# Altium PCB PM06-电调中央板-V1.PcbDoc
Units mil, origin at the board's own origin, x right, y up, seen from the top; angles counter-clockwise.
Board outline 1614.17 x 1614.17 mil, 2 copper layers (Top Layer, Bottom Layer); 19 components, 5 nets, 57 pads, 132 vias.
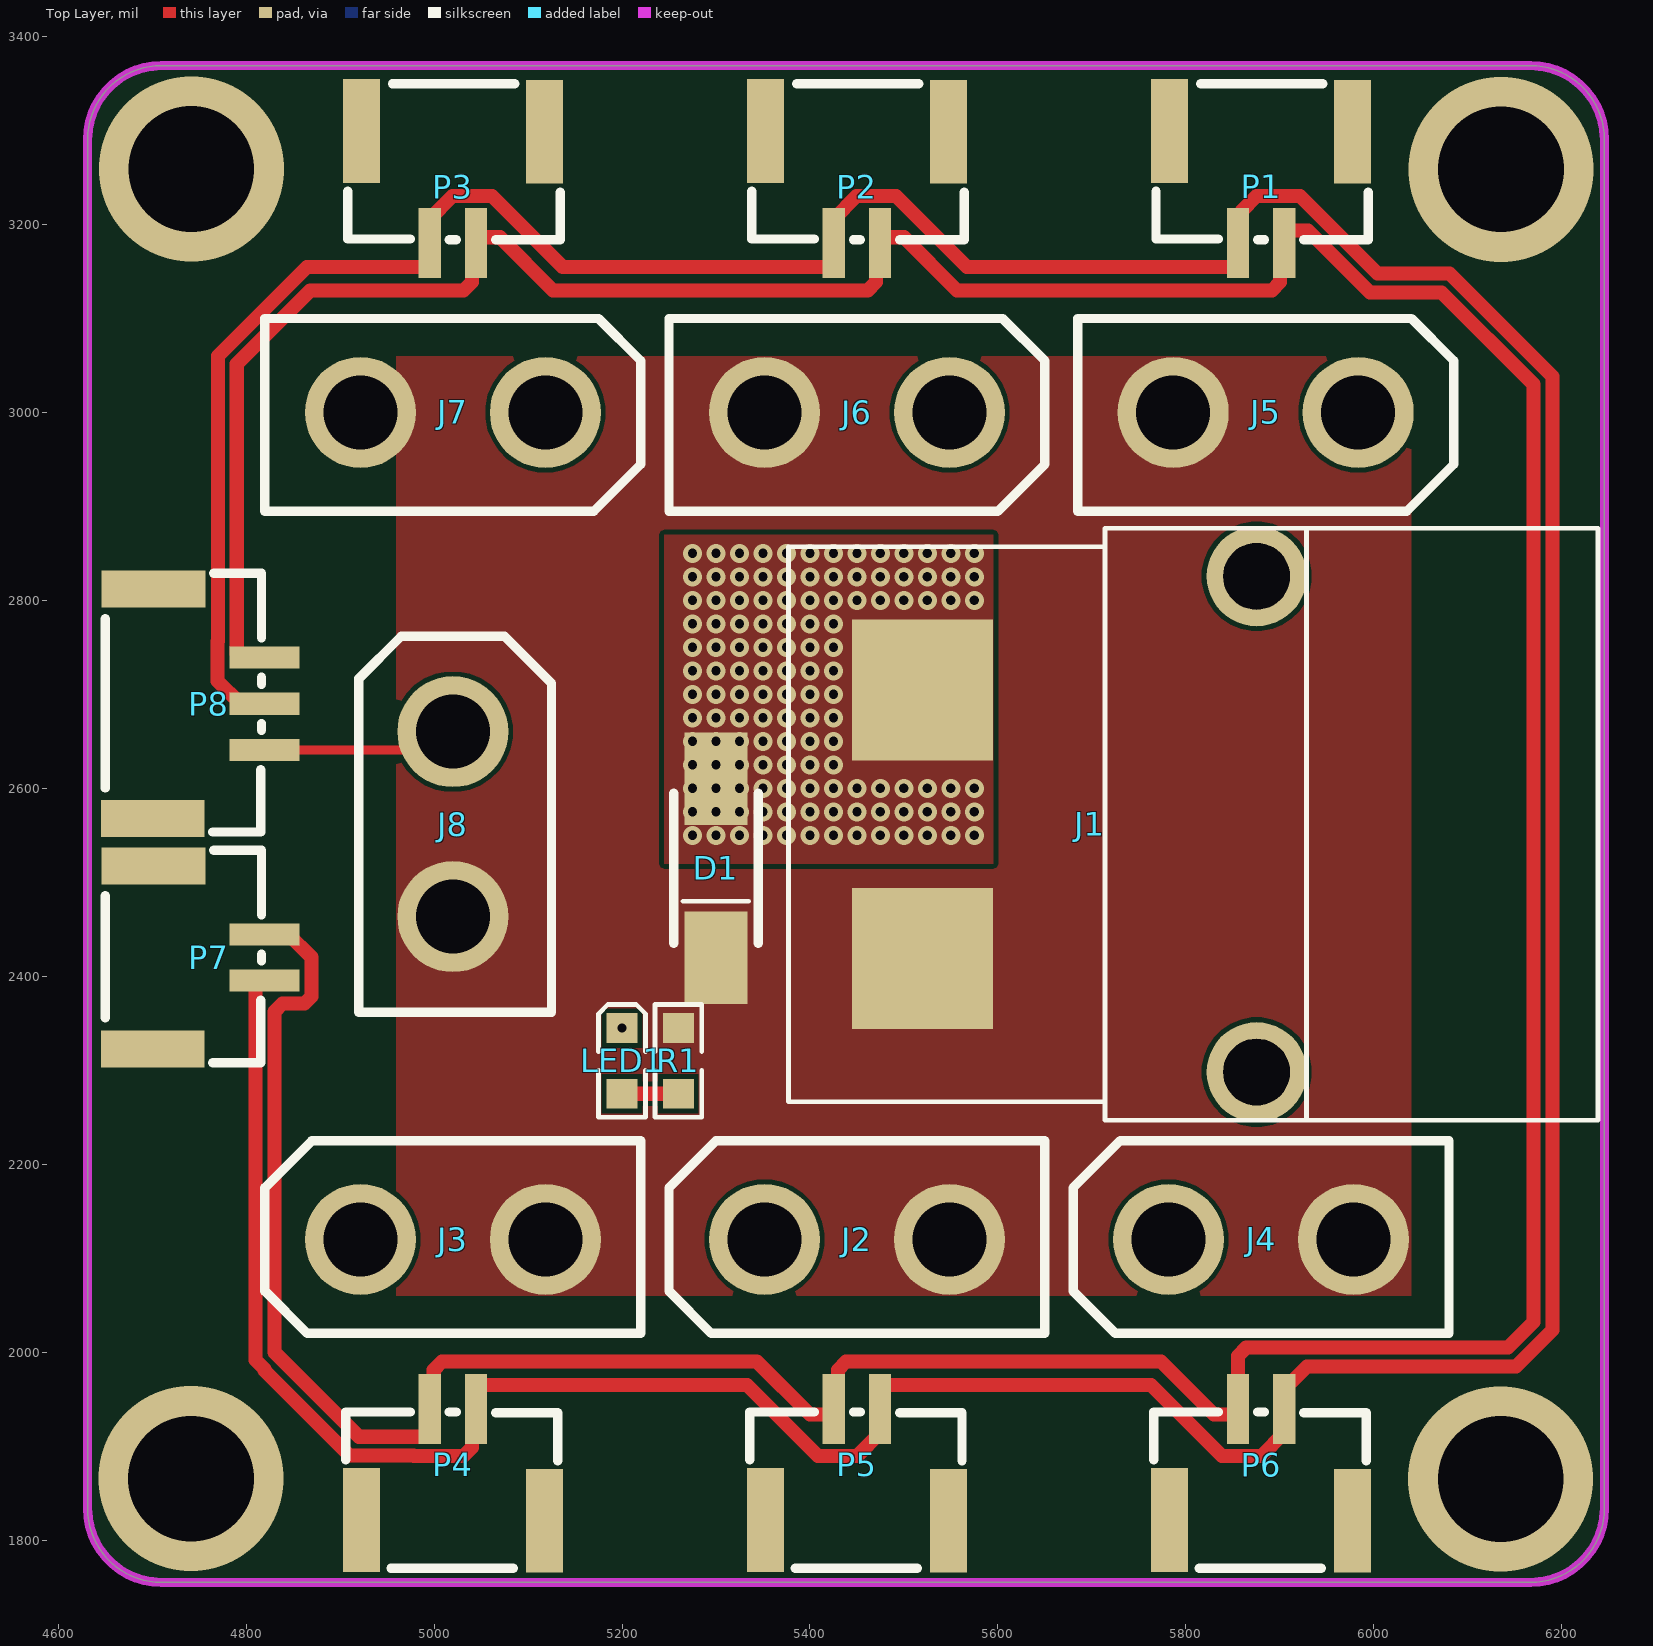
[diagram p0: Top Layer view]
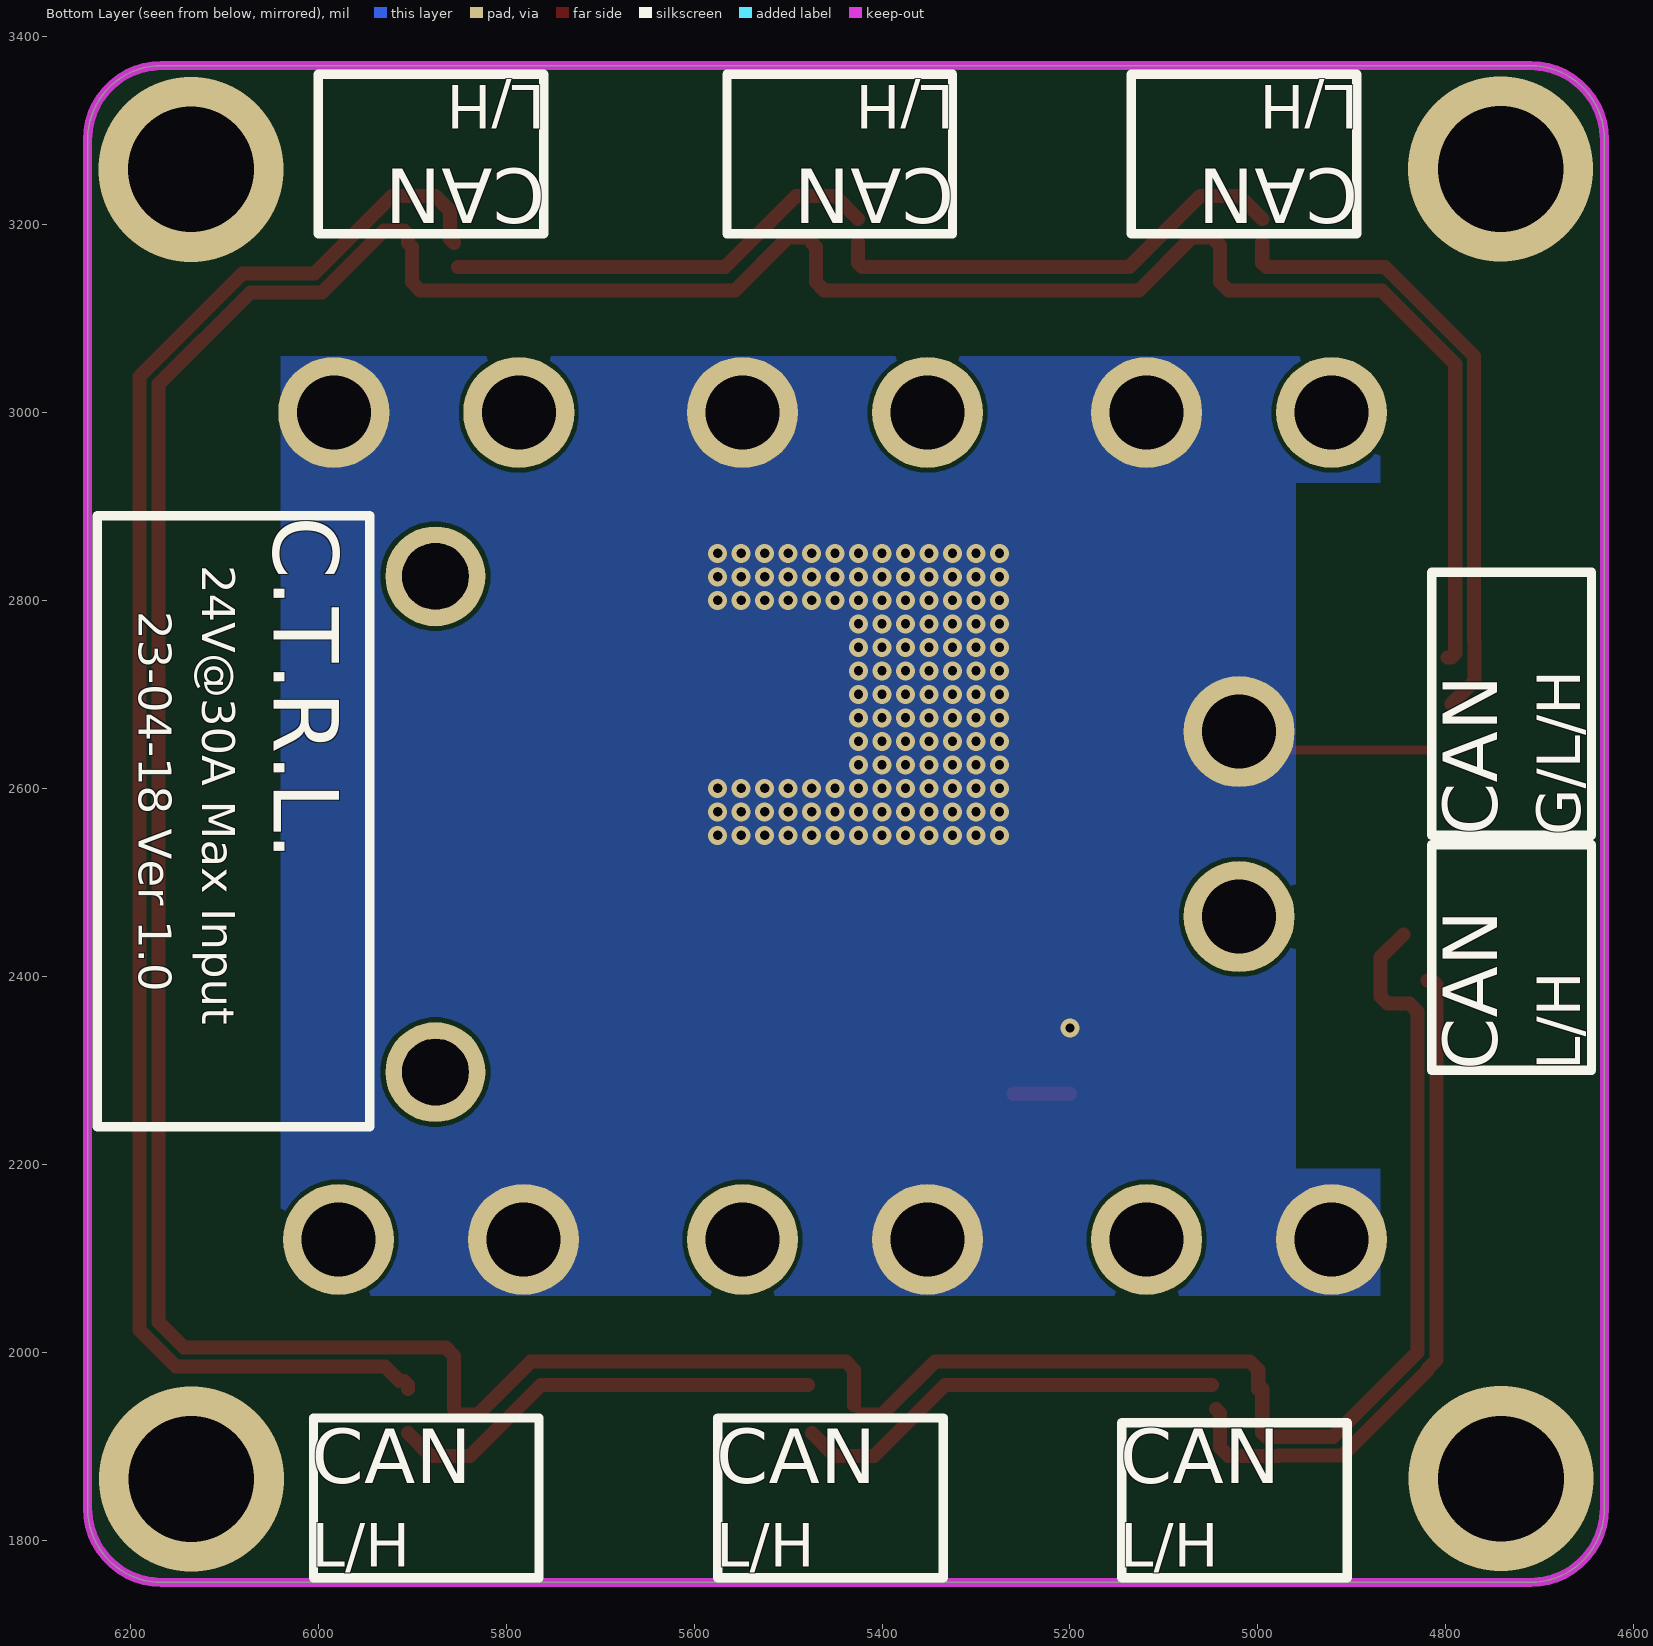
[diagram p1: Bottom Layer view, seen from below]
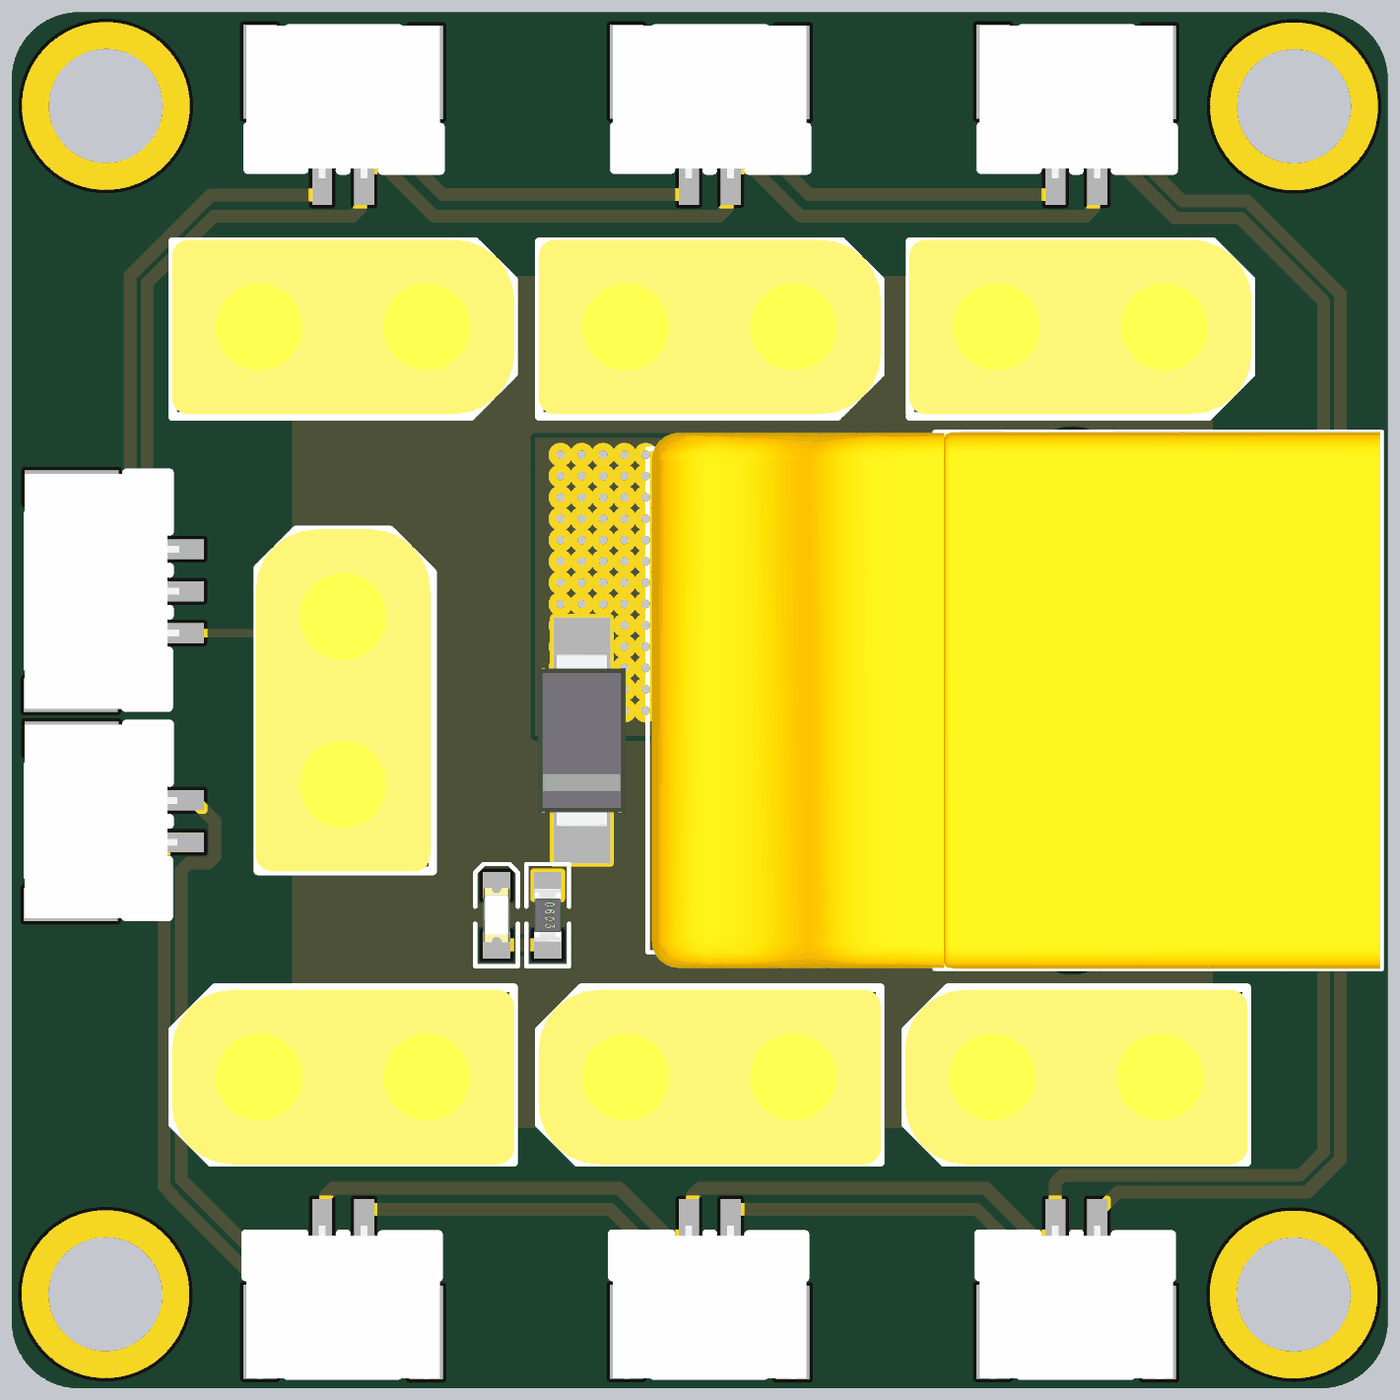
[diagram p2: 3D render of the assembled board from above, using the file's embedded part models]

## Layer stack, top to bottom
Top Solder: solder mask 0.4, Solder Resist, Dk 3.5
Top Layer: signal copper 1.4
Dielectric 1: dielectric 12.6, FR-4, Dk 4.8
Bottom Layer: signal copper 1.4
Bottom Solder: solder mask 0.4, Solder Resist, Dk 3.5

## Board outline
4631.26,1833.74 ccw(c4710,1833.74) 4710,1755 6166.69,1755 ccw(c6166.69,1833.74) 6245.43,1833.74 6245.43,3290.43 ccw(c6166.69,3290.43) 6166.69,3369.17 4710,3369.17 ccw(c4710,3290.43) 4631.26,3290.43

## Design rules (kind name [scope] priority, off if disabled: settings)
Clearance [All] p1: gap=5 ignorepadtopadclearanceinfootprint=FALSE
PolygonConnect [All] p1: connectstyle=Direct reliefconductorwidth=10 reliefentries=4 polygonreliefangle="90 Angle" airgapwidth=10
RoutingVias [All] p1: holewidth=10 width=20 viastyle="Through Hole" minholewidth=10 minwidth=20 maxholewidth=28 maxwidth=50
SolderMaskExpansion [All] p1: expansion=4 istentingtop=FALSE
Width [All] p1: maxlimit=30 minlimit=5 preferedwidth=10
30 further rules are at their usual default settings.

## Components (designator, comment, footprint, x,y, rotation, side; value= is the part's Value field where it differs from the comment)
D1 "SMAJ24A" SMA 5300,2515 r270 top
J1 "XT60_卧贴_母" XT60-PT-M 5830,2561.87 r270 top
J2 "XT30_立插_公" XT30-UPB-F 5450,2120 r180 top
J3 "XT30_立插_公" XT30-UPB-F 5020,2120 r180 top
J4 "XT30_立插_公" XT30-UPB-F 5880,2120 r180 top
J5 "XT30_立插_公" XT30-UPB-F 5885,3000 r0 top
J6 "XT30_立插_公" XT30-UPB-F 5450,3000 r0 top
J7 "XT30_立插_公" XT30-UPB-F 5020,3000 r0 top
J8 "XT30_立插_公" XT30-UPB-F 5020,2561.87 r90 top
LED1 "LED" 0603D 5200,2310 r90 top
P1 "GH1.25_卧贴" GH1.25-PW-1*2 5880,3240 r180 top
P2 "GH1.25_卧贴" GH1.25-PW-1*2 5450,3240 r180 top
P3 "GH1.25_卧贴" GH1.25-PW-1*2 5020,3240 r180 top
P4 "GH1.25_卧贴" GH1.25-PW-1*2 5020,1880 r0 top
P5 "GH1.25_卧贴" GH1.25-PW-1*2 5450,1880 r0 top
P6 "GH1.25_卧贴" GH1.25-PW-1*2 5880,1880 r0 top
P7 "GH1.25_卧贴" GH1.25-PW-1*2 4760,2420 r270 top
P8 "接插件1*3" GH1.25-PW-1*3 4760,2690 r270 top
R1 "10K" 0603R 5260,2310 r270 top

## Footprints (in the part's own frame and the unit in brackets; to place one, negate y for a bottom-side part, rotate by r counter-clockwise, add the part's x,y. Pads: shape width x height; smd on the part's side, far side on the other; paste and mask are expansions set on the pad)
0603D [mm] "0603锟斤拷装锟斤拷LED锟斤拷"
  rect 0.8x0.83 smd: 1(-0.889,0) 2(0.889,0)
  silkscreen extent -1.52,-0.64 1.52,0.64, body extent -0.81,-0.4 0.81,0.4, height 0.6
0603R [mm] "0603锟斤拷装锟斤拷锟斤拷锟斤拷锟矫ｏ拷缺锟斤拷为锟斤拷锟斤拷锟斤拷锟斤拷/锟斤拷锟斤拷"
  rect 0.8x0.83 smd: 1(-0.889,0) 2(0.889,0)
  silkscreen extent -1.52,-0.64 1.52,0.64, body extent -0.8,-0.4 0.8,0.4, height 0.42
GH1.25-PW-1*2 [mm]
  rect 0.6x1.9 smd: 1(-0.625,1.513) 2(0.625,1.513)
  rect 1x2.8 smd: ""(-2.475,-1.488) ""(2.475,-1.513)
  silkscreen extent -2.9,-2.79 2.84,1.43, body extent -2.88,-2.89 2.88,1.67, height 4.14
GH1.25-PW-1*3 [mm]
  rect 0.6x1.9 smd: 1(-1.25,1.513) 2(0,1.513) 3(1.25,1.513)
  rect 1x2.8 smd: ""(-3.1,-1.488) ""(3.1,-1.513)
  silkscreen extent -3.52,-2.79 3.46,1.43, body extent -3.5,-2.89 3.5,1.72, height 4.14
SMA [mm] "锟斤拷锟斤拷锟斤拷肖锟截伙拷锟斤拷锟斤拷锟杰的凤拷装锟斤拷锟斤拷锟斤拷锟竭碉拷一锟斤拷为锟斤拷锟斤拷"
  rect 2.5x1.7 smd: 1(-2.413,0) 2(2.413,0)
  silkscreen extent -2.03,-1.14 2.03,1.14, body extent -2.6,-1.3 2.6,1.3, height 2.37
XT30-UPB-F [mm]
  round 3 hole 2: 1(-2.5,0) 2(2.5,0)
  silkscreen extent -5.08,-2.67 5.08,2.54, body extent -5.1,-2.6 5.1,2.6, height 9.4
XT60-PT-M [mm]
  rect 3.81x3.81 smd: 1(3.625,-7.875) 2(-3.625,-7.875)
  round 2.7 hole 1.8 slot 1.8 at 0 deg: ""(-6.7,1.15) ""(6.7,1.15)
  silkscreen extent -8,-11.5 8,10.37, body extent -8,-11.38 8,10.32, height 8.37

## Part data
D1: library part 二极管_瞬态抑制
J1 J2 J3 J4 J5 J6 J7 J8: library part 接口_XT
LED1: library part 二极管_贴片发光
P1 P2 P3 P4 P5 P6 P7: library part 接插件1*2
R1: library part 电阻_贴片

## Via types
v1: diameter 20, hole 10, Top Layer to Bottom Layer, 128 vias
v2: diameter 196.85, hole 133.86, Top Layer to Bottom Layer, 4 vias

## Nets (pads, with @x,y where several pads share a name; then routed paths per layer and width w, separated by ;. In a path a pad name is that pad's centre, name@x,y a point inside that pad or via, vN(x,y) a via of type N, cw(c..) or ccw(c..) an arc to the next point about the centre after c; other vN are vias at no path point)
CAN_N: P1.2 P2.2 P3.2 P4.2 P5.2 P6.2 P7.2 P8.2 | length 5074.6
  Top Layer w15: P8.2@4793.96,2690 4769.65,2714.31 4769.65,2756.2 4770,2756.55 4770,3060 4864.94,3154.94 4991.08,3154.94 4995.39,3159.25 P3.2 ; P7.2 4814.31,2395.39 4810,2391.08 4810,1991.72 4819.55,1982.17 4819.55,1980.45 4910,1890 4978.05,1890 4978.41,1889.65 5031.16,1889.65 5040.3,1898.79 5040.3,1935.24 P4.2 ; P3.2@4995.39,3206.04 5019.7,3230.35 5061.59,3230.35 5136.95,3155 5421.08,3155 5425.39,3159.31 P2.2 ; P4.2@5048.92,1965 5333.05,1965 5408.41,1889.65 5450.3,1889.65 P5.2@5474.61,1913.96 ; P2.2@5425.39,3206.04 5449.7,3230.35 5491.59,3230.35 5566.95,3155 P1.2@5851.08,3155 ; P5.2@5478.92,1965 5763.05,1965 5838.41,1889.65 5880.3,1889.65 P6.2@5904.61,1913.96 ; P1.2 5859.7,3184.76 5859.7,3214.7 5875.35,3230.35 5921.59,3230.35 6004.13,3147.81 6080.47,3147.81 6190,3038.28 6190,2023.79 6151.21,1985 5928.85,1985 5913.3,1969.45 5908.92,1969.45 5904.61,1965.14 P6.2@5904.61,1960.75
CAN_P: P1.1 P2.1 P3.1 P4.1 P5.1 P6.1 P7.1 P8.1 | length 5051.4
  Top Layer w15: P8.1@4798.34,2739.21 4794.31,2739.21 4790,2743.52 4790,3051.72 4868.28,3130 5031.51,3130 5040.29,3138.79 5040.29,3177.84 5044.6,3182.15 5048.92,3186.46 5070.13,3186.46 5126.59,3130 5461.51,3130 5470.29,3138.79 5470.29,3176.14 P2.1 ; P7.1@4845.14,2444.6 4869.45,2420.29 4869.45,2378.4 4862.13,2371.08 4838.79,2371.08 4830,2362.29 4830,2000 4920,1910 4991.09,1910 4995.4,1914.31 P4.1@4995.4,1960.75 ; P4.1@4999.71,1960.75 4999.71,1981.21 5008.49,1990 5343.41,1990 5399.87,1933.54 P5.1@5421.09,1933.54 ; P5.1@5429.71,1943.86 5429.71,1981.21 5438.49,1990 5773.41,1990 5829.87,1933.54 P6.1@5851.09,1933.54 ; P2.1@5478.92,3186.46 5500.13,3186.46 5556.59,3130 5891.51,3130 5900.29,3138.79 P1.1@5900.29,3176.14 ; P6.1 5855.4,1996.12 5864.27,2005 6142.93,2005 6170,2032.07 6170,3030 6072.19,3127.81 5995.85,3127.81 5930.13,3193.53 5908.91,3193.53 5904.6,3189.22 P1.1
GND: D1.1 J1.2 J2.2 J3.2 J4.2 J5.2 J6.2 J7.2 J8.2 LED1.2 P8.3 | length 180.9
  Top Layer w10: P8.3 J8.2@5000.49,2640.79
  other v1: 5200,2345 5275,2550 5300,2550 5325,2550 5350,2550 5375,2550 5400,2550 5425,2550 5450,2550 5475,2550 5500,2550 5525,2550 5550,2550 5575,2550 5275,2575 5300,2575 5325,2575 5350,2575 5375,2575 5400,2575 5425,2575 5450,2575 5475,2575 5500,2575 5525,2575 5550,2575 5575,2575 5275,2600 5300,2600 5325,2600 5350,2600 5375,2600 5400,2600 5425,2600 5450,2600 5475,2600 5500,2600 5525,2600 5550,2600 5575,2600 5275,2625 5300,2625 5325,2625 5350,2625 5375,2625 5400,2625 5425,2625 5275,2650 5300,2650 5325,2650 5350,2650 5375,2650 5400,2650 5425,2650 5275,2675 5300,2675 5325,2675 5350,2675 5375,2675 5400,2675 5425,2675 5275,2700 5300,2700 5325,2700 5350,2700 5375,2700 5400,2700 5425,2700 5275,2725 5300,2725 5325,2725 5350,2725 5375,2725 5400,2725 5425,2725 5275,2750 5300,2750 5325,2750 5350,2750 5375,2750 5400,2750 5425,2750 5275,2775 5300,2775 5325,2775 5350,2775 5375,2775 5400,2775 5425,2775 5275,2800 5300,2800 5325,2800 5350,2800 5375,2800 5400,2800 5425,2800 5450,2800 5475,2800 5500,2800 5525,2800 5550,2800 5575,2800 5275,2825 5300,2825 5325,2825 5350,2825 5375,2825 5400,2825 5425,2825 5450,2825 5475,2825 5500,2825 5525,2825 5550,2825 5575,2825 5275,2850 5300,2850 5325,2850 5350,2850 5375,2850 5400,2850 5425,2850 5450,2850 5475,2850 5500,2850 5525,2850 5550,2850 5575,2850
NetLED1_1: LED1.1 R1.2 | length 60
  Top Layer w15: LED1.1 R1.2
VIN: D1.2 J1.1 J2.1 J3.1 J4.1 J5.1 J6.1 J7.1 J8.1 R1.1
pads on no net: J1. P1. P2. P3. P4. P5. P6. P7. P8.
copper on no net:
  other v2: 4741.26,1865.43 6135,1865 4741.69,3259.17 6135.43,3258.74

## Polygon pours and split planes (outlines as drawn)
GND on Bottom Layer "Top Layer-No Net" (solid, remove dead copper, pour order 0): 4870,3060 4870,2060 6040,2060 6040,3060
VIN on Top Layer "Top Layer-No Net" (solid, remove dead copper, pour order 2): 4870,3060 4870,2060 6040,2060 6040,3060
GND on Top Layer "Top Layer-No Net" (solid, remove dead copper, pour order 1): 5595,2870 5595,2520 5245,2520 5245,2870

## Keep-outs
Keep-Out Layer:
  the board outline again, w10

## Other copper
Top Layer:
  pour cut-out: 4870,3090 4960,3090 4960,2035 4870,2035
Bottom Layer:
  pour cut-out: 4870,2925 4960,2925 4960,2195 4870,2195

## Silkscreen, mask and mechanical layers (free items; w line width, h text height)
Bottom Overlay:
  lines w10: 4645,2300 4645,2540 4815,2540 4815,2300 4645,2300 ; 4645,2550 4645,2830 4815,2830 4815,2550 4645,2550 ; 4895,3190 5135,3190 5135,3360 4895,3360 4895,3190 ; 4905,1760 5145,1760 5145,1925 4905,1925 4905,1760 ; 5325,3190 5565,3190 5565,3360 5325,3360 5325,3190 ; 5335,1760 5575,1760 5575,1930 5335,1930 5335,1760 ; 5760,3190 6000,3190 6000,3360 5760,3360 5760,3190 ; 5765,1760 6005,1760 6005,1930 5765,1930 5765,1760 ; 5945,2240 5945,2890 6235,2890 6235,2240 5945,2240
  text "L/H" at 4893.41,3363.58 h80 r180
  text "L/H" at 5323.41,3363.58 h80 r180
  text "L/H" at 5758.41,3363.58 h80 r180
  text "CAN" at 4893.41,3278.58 h100 r180
  text "CAN" at 5323.41,3278.58 h100 r180
  text "CAN" at 5758.41,3278.58 h100 r180
  text "C.T.R.L." at 6070,2889.7 h120 r90
  text "24V@30A Max Input" at 6134.83,2837.28 h60 r90
  text "23-04-18 Ver 1.0" at 6202.8,2788.65 h60 r90
  text "G/L/H" at 4641.42,2550 h80 r270
  text "CAN" at 4726.42,2550 h100 r270
  text "L/H" at 4641.42,2299.98 h80 r270
  text "CAN" at 4726.42,2299.98 h100 r270
  text "CAN" at 5146.59,1841.42 h100
  text "CAN" at 5576.59,1841.42 h100
  text "CAN" at 6006.59,1841.42 h100
  text "L/H" at 5146.59,1756.42 h80
  text "L/H" at 5576.59,1756.42 h80
  text "L/H" at 6006.59,1756.42 h80